# KiCad board Turbo_XT_Mainboard R3.kicad_pcb (continued)
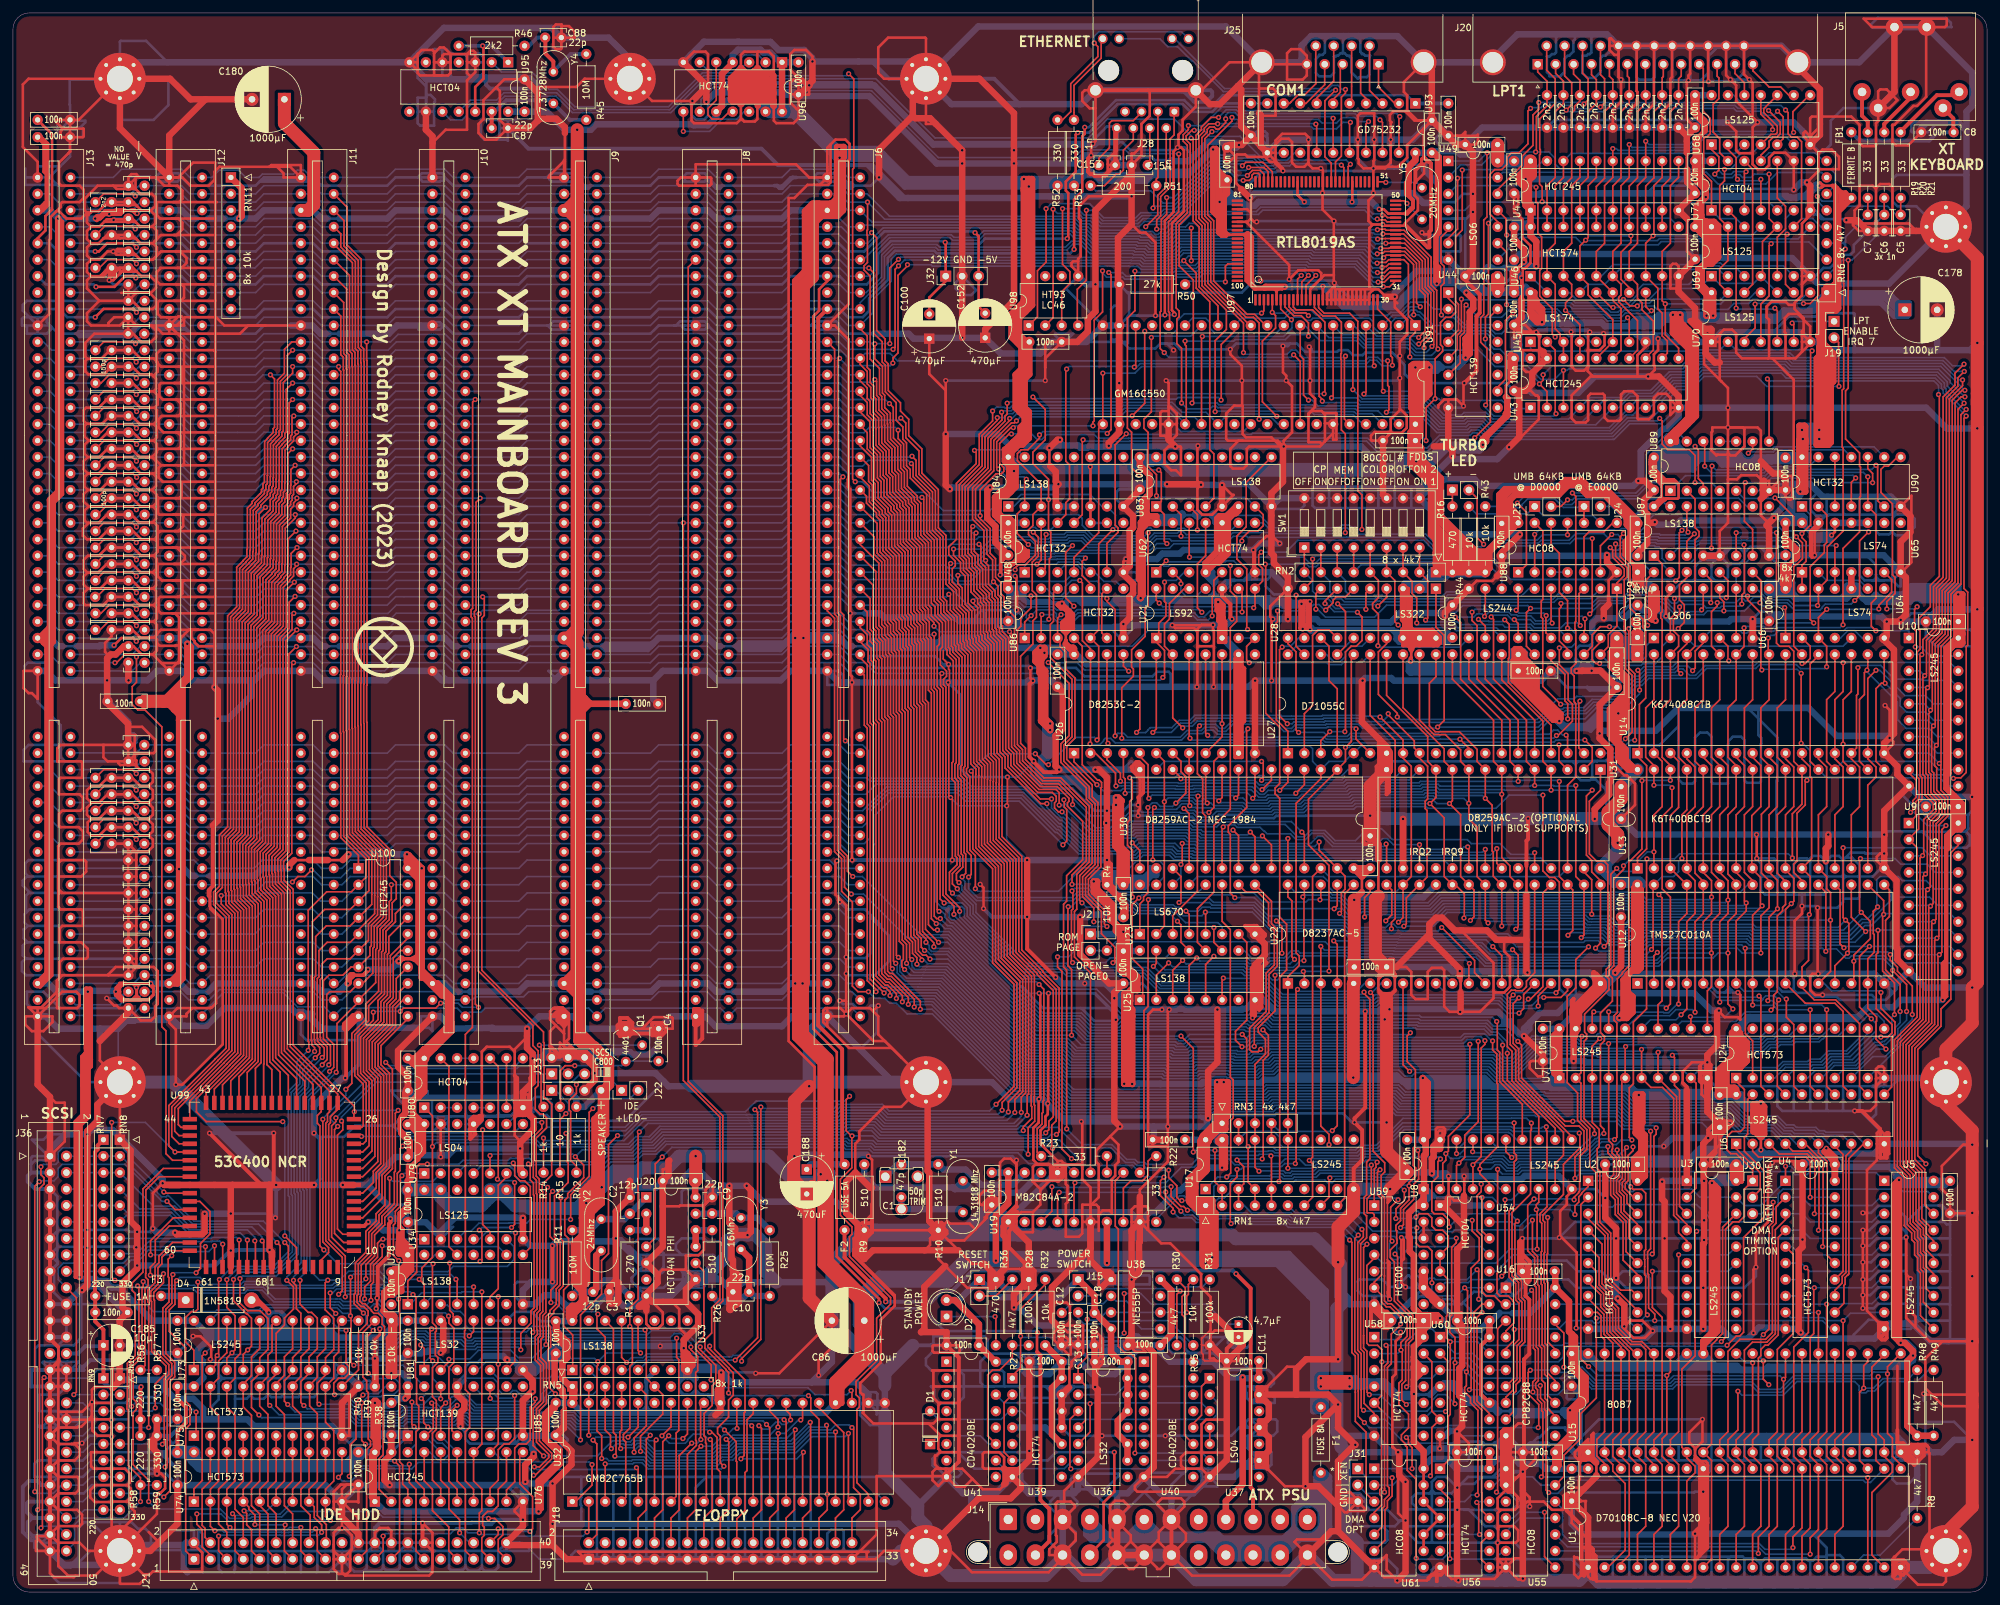
[diagram p0: board, top side]
## Routing (per net, layer and track width the routed paths; a pad name or vN(x,y) marks a point on that pad's centre or on a via; arc(x,y) is an arc through that point) (continued)
/~{SCSI_DB3}: length 35.8
  Top w0.25: U99.67 37.44,54.13 v1(37.34,54.23)
  Bottom w0.25: 8.25,59.69 RN7.5 RN8.5 17.58,58.62 24.5,58.62 27.19,55.93 36.21,55.93 37.34,54.79 v1(37.34,54.23)
/~{SCSI_DB4}: length 34.1
  Top w0.25: U99.66 36.17,54.33 v1(36.19,54.36)
  Bottom w0.25: v1(36.19,54.36) 35.07,55.48 27,55.48 24.31,58.17 17.53,58.17 RN8.6 RN7.6 8.25,57.15
/~{SCSI_DB5}: length 31.1
  Top w0.25: v1(34.92,54.36) 34.92,50.22 U99.65
  Bottom w0.25: 8.25,54.61 RN7.7 RN8.7 30.55,54.61 30.69,54.76 34.53,54.76 v1(34.92,54.36)
/~{SCSI_DB6}: length 28.8
  Top w0.25: U99.63 32.38,50.22 v1(32.38,53.72)
  Bottom w0.25: v1(32.38,53.72) 31.91,54.19 30.77,54.19 30.68,54.1 20.93,54.1 19.62,52.79 19.62,52.66 19.22,52.27 16.71,52.27 RN8.8 RN7.8 8.25,52.07
/~{SCSI_DB7}: length 28
  Top w0.25: v1(31.11,53.47) 31.11,50.22 U99.62
  Bottom w0.25: v1(31.11,53.47) 30.23,52.58 25.08,52.58 24.86,52.8 20.9,52.8 20.52,52.42 20.52,52.29 19.5,51.27 18.25,51.27 RN8.9 RN7.9 8.25,49.53
/~{SCSI_DBP}: length 55.3
  Top w0.25: v1(9.4,30.48) 9.8,30.88 9.8,45.45 8.25,46.99 ; U99.61 29.72,50.29 v1(29.72,53.34)
  Bottom w0.25: v1(9.4,30.48) RN9.2 RN10.2 ; v1(29.72,53.34) 20.81,53.34 20.07,52.6 20.07,52.48 19.41,51.82 18.03,51.82 17.02,50.8 7.79,50.8 6.98,50 6.98,48.26 8.25,46.99
/~{SCSI_IO}: length 77.8
  Top w0.25: v1(19.68,13.97) R58.2 19.68,17.65 17.82,19.52 17.82,28.07 17.61,28.28 17.61,28.98 17.66,29.03 17.66,35.32 18.87,36.54 18.87,46.09 18.41,46.55 18.41,47.75 20.07,49.41 20.07,62.26 23.22,65.41 27.3,65.41
  Bottom w0.25: R59.2 R58.2 ; 8.25,6.35 9.52,7.62 9.52,10.41 10.54,11.43 17.14,11.43 v1(19.68,13.97)
/~{SCSI_MSG}: length 90.4
  Top w0.25: v1(23.79,60.33) 25.06,59.06 27.3,59.06 ; v1(4.06,63.36) 3.36,62.66 v1(3.36,15.49)
  Bottom w0.25: v1(4.06,63.36) 4.2,63.5 6.33,63.5 6.98,64.15 6.98,65.41 7.62,66.04 17.31,66.04 23.02,60.33 v1(23.79,60.33) ; v1(3.36,15.49) 3.62,15.24 6.24,15.24 7.51,16.51 10.79,16.51 12.06,17.78 RN9.7 RN10.7
/~{SCSI_REQ}: length 82.1
  Top w0.25: v1(4.32,9.91) 4.54,10.13 4.54,32.86 v1(4.81,33.13) ; R56.2 20.38,34.99 20.38,46.86 20.87,47.34 20.87,48.21 20.49,48.59 20.49,49.19 20.52,49.22 20.52,62.07 22.58,64.13 27.3,64.13
  Bottom w0.25: v1(4.32,9.91) 4.57,10.16 6.98,10.16 8.25,8.89 ; v1(4.81,33.13) 4.93,33.02 11.78,33.02 13.05,34.29 R56.2 R57.2
/~{SCSI_RST}: length 63.5
  Top w0.25: 27.3,57.79 24.76,57.79 21.25,54.27 v1(21.25,52.07) ; v1(23.49,19.3) 23.81,19.62 23.81,32.7 24.52,33.41 24.52,35.29 23.15,36.67 23.15,43.85 24.09,44.79 24.09,48.55 23.97,48.67 23.97,51.4 v1(24.51,51.94)
  Bottom w0.25: v1(21.25,52.07) 24.38,52.07 v1(24.51,51.94) ; 8.25,19.05 10.79,19.05 12.06,20.32 RN9.6 RN10.6 22.48,20.32 v1(23.49,19.3)
/~{SCSI_SEL}: length 69.7
  Top w0.25: v1(28.28,49.3) 28.96,49.98 28.96,53.82 30.42,55.28 30.42,58.76 28.85,60.32 27.3,60.32 ; v1(24.69,49.02) 24.54,48.87 24.54,44.61 23.6,43.66 23.6,36.85 24.97,35.48 24.97,33.23 24.26,32.51 24.26,15.64 v1(23.29,14.67)
  Bottom w0.25: v1(24.69,49.02) 24.97,49.3 v1(28.28,49.3) ; v1(23.29,14.67) 22.72,15.24 RN10.8 RN9.8 12.06,15.24 10.79,13.97 8.25,13.97
/~{SDRV_SEL}: length 66.8
  Top w0.25: v1(58.42,109.22) 58.42,106.94 58.1,106.61 58.1,103.82 56.68,102.41 56.68,99.24 56.46,99.01 56.46,92.78 54.47,90.79 54.47,88.39 52.32,86.25 52.32,78.55 v1(51.4,77.63) ; v1(47.84,73.01) 47.85,73 47.85,54.06 48.73,53.18 48.73,52.41 47.6,51.28 U99.7
  Bottom w0.25: v1(51.4,77.63) 51.4,76.67 47.84,73.12 v1(47.84,73.01) ; U100.19 v1(58.42,109.22)
/~{SIDE}: length 23.7
  Top w0.25: J18.32 127,11.43 128.27,12.7 128.27,24.64 124.46,28.45 U32.25
/~{STEP}: length 22.6
  Top w0.25: U32.29 114.3,27.56 113.34,26.59 113.34,18.76 113.03,18.45 113.03,12.57 111.76,11.3 J18.20
/~{TEST}: length 28.2
  Top w0.25: U1.23 285.12,20.32 285.12,30.85 v1(285.76,31.49) 285.75,31.5 285.75,34.93 286.38,35.56 U15.23
  Bottom w0.25: v1(285.76,31.49) 287.27,31.49 288.74,32.96 292.68,32.96 R48.2
/~{TMR_CS}: length 79
  Top w0.25: U25.13 180.34,100.33 180.34,103.04 v1(179.8,103.58) ; v1(159.85,143.53) 163.07,140.31 163.07,132.24 161.8,130.97 161.8,128.11 165.73,124.18 165.73,122.43 166.62,121.54 166.62,112.55 164.7,110.63 164.7,106.79 v1(165.06,106.43) ; v1(172.27,142.19) 171.45,143.01 U26.21
  Bottom w0.25: v1(172.27,142.19) 172.07,142.38 165.44,142.38 164.3,143.53 v1(159.85,143.53) ; v1(179.8,103.58) 178.6,104.78 173.23,104.78 172.76,105.24 171.94,105.24 171.42,105.76 165.73,105.76 v1(165.06,106.43)
/~{TR0}: length 59.1
  Top w0.25: J18.26 119.38,11.43 120.65,12.7 120.65,24.92 v1(120.8,25.06) ; v1(92.38,22.14) 92.26,22.27 92.26,24.2 91.44,25.02 U32.38 RN5.3
  Bottom w0.25: v1(92.38,22.14) 93.12,22.88 94.24,22.88 94.39,22.73 95.5,22.73 96.17,23.4 97.55,23.4 99.15,21.8 107.89,21.8 108.73,22.64 110.21,22.64 111.35,23.78 117.79,23.78 117.81,23.76 118.51,23.76 118.53,23.78 119.52,23.78 v1(120.8,25.06)
/~{WDATA}: length 27.7
  Top w0.25: v1(120.07,26.58) 120.01,26.64 120.01,27.43 119.38,28.07 U32.27 ; v1(115.17,25.69) 115.57,25.29 115.57,12.7 114.3,11.43 J18.22
  Bottom w0.25: v1(115.17,25.69) 115.7,25.16 116.72,25.16 117.79,26.23 118.39,26.23 118.74,25.88 119.37,25.88 v1(120.07,26.58)
/~{WGATE}: length 24.5
  Top w0.25: v1(121.63,26.57) 121.92,26.86 U32.26 ; J18.24 116.84,11.43 118.11,12.7 118.11,24.43 v1(118.16,24.48)
  Bottom w0.25: v1(121.63,26.57) 121.25,26.57 119.17,24.48 v1(118.16,24.48)
/~{WP}: length 61.2
  Top w0.25: v1(93.83,22.15) 93.71,22.28 93.71,24.75 93.98,25.02 U32.37 RN5.4 ; v1(123.1,26.21) 123.15,26.15 123.15,12.66 121.92,11.43 J18.28
  Bottom w0.25: v1(93.83,22.15) 93.96,22.28 95.69,22.28 96.36,22.95 97.36,22.95 98.96,21.35 108.07,21.35 108.91,22.19 110.39,22.19 111.53,23.33 117.6,23.33 117.62,23.31 118.69,23.31 118.72,23.33 120.09,23.33 122.96,26.21 v1(123.1,26.21)
/~{WRTDMAPREG}: length 81.4
  Top w0.25: v1(157.18,153.82) 157.18,151.97 155.61,150.4 155.61,149.13 155.08,148.61 155.08,130.87 155.88,130.08 155.88,128.37 158.97,125.28 161.61,125.28 165.72,121.17 165.72,112.92 163.52,110.72 v1(163.52,109.28)
  Bottom w0.25: v1(163.52,109.28) 166.04,109.28 167.22,108.09 183.02,108.09 U23.12 ; v1(157.18,153.82) 157.18,153.81 160.11,153.81 160.56,153.36 162.02,153.36 163.59,154.94 U86.11
/~{X0X}: length 242.6
  Top w0.25: v1(82.29,38.21) 82.32,38.24 82.32,41.01 82.24,41.09 82.24,42.49 82.9,43.15 82.9,43.48 83.88,44.46 83.88,46.82 84.49,47.42 84.49,53.98 83.61,54.85 83.61,61.13 85.72,63.25 85.72,66.29 85.6,66.42 85.6,70.61 v1(85.38,70.83) ; U81.2 67.31,35.56 v1(67.31,35.94) ; v1(148.46,176.29) 148.72,176.04 148.72,174.24 145.67,171.2 145.67,162.56 144.5,161.39 144.5,160.18 145.5,159.18 145.5,158.48 145.03,158.02 145.03,155.95 146.12,154.87 146.12,152.14 147.14,151.12 147.14,147 147.36,146.78 147.36,146.1 148.33,145.13 148.33,128.08 149.13,127.28 149.13,126.09 149.11,126.06 149.11,115.12 152.16,112.07 152.16,97.65 155.46,94.35 155.46,77.46 153.69,75.69 v1(153.69,74.13)
  Bottom w0.25: v1(67.31,35.94) 67.38,36.02 70.56,36.02 71.88,37.34 76.86,37.34 78,36.19 80.27,36.19 v1(82.29,38.21) ; U84.15 155.08,176.39 148.56,176.39 v1(148.46,176.29) ; v1(85.38,70.83) 85.78,71.23 94.6,71.23 97.09,73.72 113.28,73.72 113.28,73.72 127.16,73.72 127.85,74.41 133.87,74.41 135,73.28 152.84,73.28 v1(153.69,74.13)
/~{X7X}: length 386.3
  Top w0.25: v1(159.88,127.76) 159.54,127.76 v1(157.86,129.45) ; v1(129.03,234.44) 129.82,233.65 129.82,219.88 129.65,219.71 129.65,171.85 v1(130.05,171.45) ; v1(151.79,75.31) 154.56,78.08 154.56,93.85 151.26,97.16 151.26,111.7 148.21,114.75 148.21,126.52 v1(147.95,126.77) ; v1(167.39,131.57) 167.64,131.83 167.64,146.05 U86.5 167.64,148.59 167.64,161.85 v1(169.83,164.04) ; v1(112.5,35.65) 112.5,36.05 115.47,39.01 v1(115.47,74.9)
  Bottom w0.25: U33.4 94.92,34.29 96.37,35.74 97.44,35.74 98.01,36.32 110.94,36.32 111.17,36.54 112.18,36.54 112.5,36.22 v1(112.5,35.65) ; v1(167.39,131.57) 166.99,131.97 164.09,131.97 v1(159.88,127.76) ; v1(151.79,75.31) 150.78,74.3 135.25,74.3 134.24,75.31 127.38,75.31 126.75,74.68 115.69,74.68 v1(115.47,74.9) ; U95.11 70.61,230.38 74.68,230.38 75.82,231.52 83.95,231.52 86.56,228.9 87.79,228.9 87.79,228.91 89.25,228.91 89.25,228.9 101.4,228.9 106.64,234.15 128.74,234.15 v1(129.03,234.44) ; v1(130.05,171.45) 131.15,171.45 132.8,169.8 140.84,169.8 143.64,167 150.85,167 152.61,168.77 154.92,168.77 155.64,169.48 166.31,169.48 168.15,167.64 U84.7 170.23,166.32 170.23,164.44 v1(169.83,164.04) ; v1(157.86,129.45) 150.64,129.45 v1(147.95,126.77)
/~{XEN}: length 18.3
  Top w0.25: U61.6 211.84,8 211.84,12.68 212.21,13.06 212.21,14.09 212.94,14.82 v1(212.94,17.65)
  Bottom w0.25: v1(212.94,17.65) 212.82,17.78 208.91,17.78 J31.1
/~{XIOR}: length 268.9
  Top w0.25: U30.3 201.93,125.6 198.12,121.79 198.12,98.71 198.6,98.23 198.6,96.78 196.85,95.03 U22.1 RN3.5 U17.15 v1(196.85,65.44) ; v1(262.34,173.87) 262.25,173.79 v1(262.25,161.2) ; v1(247.44,161.85) 247.44,159.97 249.23,158.19 249.23,156.75 248.78,156.3 248.78,149.13 248.75,149.11 248.75,148.41 248.98,148.19 248.98,142.59 249.98,141.59 249.98,136.21 250,136.18 250,132.8 v1(248.97,131.77) ; v1(238.71,130.81) 238.71,128.32 U31.3 ; U26.22 168.91,131.22 v1(169.07,131.06) ; v1(210.63,66.38) 210.46,66.21 210.46,65.59 210.19,65.32 U59.1
  Bottom w0.25: v1(262.25,161.2) 260.21,161.2 259.71,160.71 259.71,159.62 258.99,158.89 255.36,158.89 254.63,159.62 254.63,160.91 254.13,161.42 253.62,161.42 253.44,161.6 247.7,161.6 v1(247.44,161.85) ; v1(169.07,131.06) 169.46,130.67 200.22,130.67 200.66,130.22 200.66,128.27 U30.3 203.2,128.27 205.61,128.27 206.88,129.54 U27.5 208.14,130.67 222.79,130.67 223.03,130.42 223.96,130.42 224.33,130.8 238.7,130.8 v1(238.71,130.81) 248.01,130.81 v1(248.97,131.77) ; v1(210.63,66.38) 210.31,66.7 208.91,66.7 208.24,66.02 201.22,66.02 200.64,65.44 v1(196.85,65.44) ; U90.13 277.3,173.8 270.72,173.8 270.22,173.29 262.92,173.29 v1(262.34,173.87)
/~{XIOW}: length 241.9
  Top w0.25: U59.2 210.19,58.28 209.9,58.56 209.12,58.56 209.06,58.63 209.06,60.75 209.73,61.42 v1(209.73,65.93) ; v1(242.7,131.57) 243.84,130.43 243.84,128.27 U31.2 ; v1(194.87,95.24) 194.87,89.75 192.28,87.16 192.28,86.46 193.38,85.35 193.38,83.09 191.77,81.48 RN3.3 U17.17 191.77,65.6 v1(192.39,64.98) ; v1(203.2,95.88) 203.2,112.2 200.02,115.38 200.02,122.43 204.47,126.87 U30.2 205.74,128.27 v1(205.74,130.43) 206.64,131.33 206.64,144.41 U27.36 ; v1(199.23,95.83) 199.39,95.67 U22.2 ; v1(166.3,130.97) 166.37,131.04 U26.23 166.37,145.65 165.12,146.91 165.12,155.81 v1(164.72,156.21)
  Bottom w0.25: v1(242.7,131.57) 238.7,131.57 238.66,131.54 238.23,131.54 237.94,131.25 224.14,131.25 223.77,130.87 223.22,130.87 222.98,131.12 206.99,131.12 206.31,130.43 v1(205.74,130.43) 205.41,130.76 202.47,130.76 202.11,131.12 170.2,131.12 169.49,131.83 168.66,131.83 168.4,131.57 168.4,131.44 167.8,130.85 166.43,130.85 v1(166.3,130.97) ; v1(194.87,95.24) 195.18,95.56 198.96,95.56 v1(199.23,95.83) 203.15,95.83 v1(203.2,95.88) ; v1(164.72,156.21) 163.44,156.21 162.42,155.19 162.42,154.4 161.83,153.81 160.75,153.81 159.62,154.94 U86.13 ; v1(209.73,65.93) 209.37,65.57 201.41,65.57 200.81,64.98 197.46,64.98 197.2,64.72 196.5,64.72 196.19,65.02 192.43,65.02 v1(192.39,64.98)
/~{XMEMR}: length 252.5
  Top w0.25: v1(286.38,172.21) U90.5 287.65,166.37 287.65,153.44 286.93,152.72 286.93,149.15 v1(287.64,148.45) ; v1(201.93,99.69) U22.3 201.93,71.95 203.2,70.68 v1(203.2,69.09) ; v1(269.88,98.68) 269.88,104.39 271.14,105.66 U12.24 271.14,109.85 269.97,111.03 269.97,120.11 271.14,121.28 U13.24 271.14,127.63 269.88,128.91 269.88,136.53 271.14,137.8 U14.24 271.02,144.91 v1(271.02,147.32) ; 189.23,69 U17.18 RN3.2
  Bottom w0.25: v1(286.38,172.21) 285.7,172.9 271.1,172.9 270.59,172.39 258.24,172.39 U89.1 ; v1(269.88,98.68) 266.98,98.68 266.25,99.41 261.9,99.41 261.9,99.4 255.61,99.4 253.77,97.57 227.62,97.57 226.25,98.93 213.25,98.93 213.19,99 206.4,99 206.26,99.13 202.49,99.13 v1(201.93,99.69) ; U17.18 190.5,71.12 194.71,71.12 195.58,70.25 195.58,69.16 196.02,68.72 202.84,68.72 v1(203.2,69.09) ; U10.1 292.74,148.37 292.66,148.45 v1(287.64,148.45) 287.17,148.91 283.14,148.91 282.67,148.45 278.37,148.45 278.32,148.39 277.03,148.39 276.98,148.45 272.62,148.45 271.9,147.72 271.42,147.72 v1(271.02,147.32)
/~{XMEMW}: length 169.4
  Top w0.25: U12.31 253.24,109.09 253.24,99.47 v1(252.99,99.22) ; v1(203.71,71.25) 204.47,72.01 U22.4 204.47,100.01 v1(203.93,100.56) ; U89.2 259.71,168.78 259.71,164.38 260.33,163.76 260.33,163.06 259.71,162.45 259.71,146.05 U14.29 258.44,137.8 257.18,136.53 257.18,128.91 258.44,127.63 U13.29 258.44,120.78 257.68,120.02 v1(257.68,113.28) ; RN3.4 U17.16
  Bottom w0.25: v1(203.71,71.25) 203.58,71.12 195.58,71.12 RN3.4 ; v1(203.93,100.56) 206.11,100.56 206.77,99.9 213.56,99.9 213.63,99.83 226.63,99.83 227.99,98.47 252.24,98.47 v1(252.99,99.22) ; v1(257.68,113.28) 257.18,112.78 257.18,111.25 256.41,110.49 254.63,110.49 U12.31
/~{XX0}: length 70.8
  Top w0.25: v1(51.43,40.39) 51.43,35.32 51.93,34.83 51.93,33.75 51.2,33.02 50.28,33.02 49.53,32.27 49.53,30.61 v1(49.66,30.48) ; U78.5 v1(71.12,47.12) ; U85.4 67.78,24.93 67.78,28.03 68.58,28.83 v1(68.58,28.83) ; v1(48.99,46.19) 48.99,43.87 v1(49.84,43.02)
  Bottom w0.25: v1(49.66,30.48) 51.44,30.48 54.02,27.9 59.39,27.9 59.99,28.51 64.02,28.51 64.07,28.46 65.44,28.46 65.87,28.03 67.34,28.03 68.14,28.83 v1(68.58,28.83) ; v1(48.99,46.19) 49.37,46.19 49.99,46.81 51.01,46.81 51.15,46.96 55.51,46.96 55.56,47.01 57.01,47.01 57.14,46.88 60.11,46.88 60.34,47.12 v1(71.12,47.12) ; v1(51.43,40.39) 50.55,40.39 49.44,41.49 49.44,42.62 v1(49.84,43.02)
/~{XX8}: length 242.6
  Top w0.25: U86.10 166.37,155.67 165.1,156.94 165.1,159.18 v1(165.59,159.66) ; v1(87.63,23.5) 87.63,42.78 90.88,46.03 90.88,51.19 91.95,52.26 91.95,69.09 v1(93.34,70.49) ; v1(154.69,74.06) 154.69,76.05 155.91,77.27 155.91,94.54 152.61,97.84 152.61,112.26 149.56,115.31 149.56,125.88 149.58,125.9 149.58,127.47 148.78,128.26 148.78,145.31 147.81,146.28 147.81,146.97 147.59,147.18 147.59,151.31 146.57,152.33 146.57,155.05 145.9,155.72 v1(145.9,156.99)
  Bottom w0.25: v1(154.69,74.06) 153.46,72.83 134.81,72.83 133.68,73.96 128.04,73.96 127.35,73.27 113.47,73.27 113.47,73.27 97.27,73.27 94.49,70.49 v1(93.34,70.49) ; v1(87.63,23.5) 85.6,25.53 82.62,25.53 82.38,25.29 74.82,25.29 U85.6 ; v1(145.9,156.99) 148.16,156.99 149.71,158.54 154.35,158.54 155.71,159.9 160.98,159.9 161.04,159.96 165.3,159.96 v1(165.59,159.66)
Net-(C1-Pad1): length 24.4
  Bottom w1: C1.1 136.52,65.96 C182.1 137.24,66.04 R10.1 143.67,65.24 147.08,65.24 149.46,62.87 154.31,62.87 U19.17
Net-(C1-Pad2): length 11.5
  Bottom w1: C182.2 137.16,59.18 C1.2 146.17,59.13 Y1.2
Net-(C2-Pad2): length 13.5
  Bottom w1: R11.2 89.1,55.88 Y2.1 94.41,57.58 C2.2 U20.1
Net-(C3-Pad1): length 17.7
  Top w1: C3.1 90.06,46.84 90.06,51.96 Y2.2
  Bottom w1: R11.1 86.99,46.36 C3.1 91.35,48.13 92.84,48.13 R12.2
Net-(C4-Pad1): length 21.4
  Top w0.25: R15.2 84.55,75.02 84.55,80.57 85.26,81.28 v1(86.74,81.28)
  Bottom w0.25: C4.1 94.69,82 Q1.3 93.98,81.28 v1(86.74,81.28)
Net-(C8-Pad1): length 21.3
  Top w0.6: C8.1 299.59,225.47 299.59,227.56 J5.5
  Bottom w0.6: FB1.1 285.15,224.12 295.88,224.12 297.18,225.43 C8.1
Net-(C9-Pad2): length 12.6
  Top w1: 107.91,58.42 C9.2
  Bottom w1: U20.13 107.91,58.42 C9.2 111.72,58.46 Y3.1 114.94,57.79 R25.2
Net-(C10-Pad1): length 17.2
  Top w1: C10.1 113.66,51.63 Y3.2
  Bottom w1: R25.1 114.3,45.72 C10.1 112.16,44.85 108.82,44.85 R26.1
Net-(C11-Pad1): length 60.1
  Top w0.25: v1(171.58,46.1) v1(171.58,40) ; 153.83,33.49 U39.1 154.31,33.4 155.57,34.67 v1(155.57,39.5) 155.57,43.69 159.38,47.5 R32.2
  Bottom w0.25: C11.1 187.36,41.37 184.28,44.45 175.77,44.45 174.12,46.1 v1(171.58,46.1) ; v1(155.57,39.5) 155.75,39.32 170.9,39.32 v1(171.58,40)
Net-(C12-Pad1): length 26.9
  Top w0.25: R35.1 181.48,47.5 181.48,45.97 181.23,45.72 v1(181.23,43.18)
  Bottom w0.25: C12.1 163.37,44.54 168.37,44.54 U38.2 170.34,44.92 171.93,44.92 173.67,43.18 U38.6 v1(181.23,43.18)
Net-(C13-Pad1): length 14.6
  Bottom w0.25: U38.5 174.24,40.64 173.1,41.78 169.02,41.78 168.64,41.4 165.35,41.4 164.46,42.29 C13.1
Net-(C87-Pad2): length 19.1
  Top w0.6: C87.2 U95.13
  Bottom w0.6: R45.2 85.98,227.33 Y4.1 82.95,230.36 76.18,230.36 74.42,228.6 U95.13
Net-(C88-Pad1): length 15.8
  Top w0.6: C88.1 82.21,239.99 82.21,237.58 83.44,236.35 Y4.2
  Bottom w0.6: R46.1 79.67,238.76 80.94,240.03 C88.1 ; Y4.2 83.44,234.82 86.11,237.49 R45.1
Net-(C153-Pad2): length 12.9
  Top w0.25: C153.2 167.68,221.4 169.29,223.01 169.29,226.82 169.67,227.2 172.97,227.2 174.24,228.47 J28.5
Net-(C154-Pad2): length 5.8
  Top w0.25: C154.2 175.52,220.65 J28.4
Net-(D1-Pad1): length 31.7
  Top w0.25: R27.2 154.31,36.25 152.34,34.29 151.25,34.29 150.5,33.54 150.5,24.13 U41.11
  Bottom w0.25: U41.11 150.62,22.86 149.35,24.13 142.88,24.13 D1.1 ; R27.2 R28.2
Net-(D2-Pad1): length 12.1
  Top w0.25: 151.76,37.99 R36.1 151.76,42.42 v1(151.64,42.55)
  Bottom w0.25: v1(151.64,42.55) D2.1
Net-(D4-Pad1): length 4.1
  Bottom w1: F3.1 26.03,45.72 D4.1
Net-(F1-Pad2): length 260.4
  Bottom w0.4: 174.67,9.48 174.56,9.37 174.56,8.07
  Bottom w1: 202.25,9.21 202.25,12.84 201.53,13.57 ; 202.25,9.21 203.2,10.16 ; 202.25,9.21 201.93,8.89 ; 198.99,13.57 199.79,13.57 ; 198.99,13.57 199.62,13.57 201.93,15.88 F1.2 ; 198.99,13.57 197.82,12.4 197.82,11.13 ; 199.79,13.57 200.89,13.57 ; 199.79,13.57 200.26,13.57 201.29,14.61 ; 201.29,8.25 201.93,8.89 ; 201.29,8.25 199.39,8.25 ; 201.29,8.25 198.75,8.25 ; 201.29,8.25 202.56,8.25 203.2,8.89 203.2,10.16 ; 201.93,8.89 201.9,8.86 ; 201.9,8.86 201.92,8.88 201.92,12.54 200.89,13.57 ; 201.9,8.86 198.73,8.86 ; 177.99,8.07 166.56,8.07 165.74,8.89 165.74,10.16 166.27,10.69 J14.4 ; 177.99,8.07 182.69,8.07 ; 177.99,8.07 174.84,11.21 J14.6 ; 182.69,8.07 184.34,8.07 185.42,6.99 ; 182.69,8.07 182.88,8.25 196.21,8.25 ; 200.89,13.57 201.53,13.57 ; J14.4 166.27,8.99 167,8.25 171.45,8.25 ; J14.4 166.27,10.26 167.67,8.86 168.88,8.86 ; J14.4 166.53,11.21 168.88,8.86 ; 201.29,17.14 201.29,15.88 ; 201.29,17.14 201.29,18.42 F1.2 ; 201.29,17.14 201.29,17.78 F1.2 ; 201.29,17.14 202.56,18.42 ; 201.29,15.88 201.29,14.61 ; 201.29,15.88 202.56,14.61 ; 197.82,9.86 196.21,8.25 ; 197.82,9.86 197.82,8.56 198.12,8.25 ; 197.82,9.86 197.82,11.13 ; 197.82,9.86 198.73,8.95 198.73,8.86 ; 201.29,14.61 201.29,13.8 201.53,13.57 ; 201.53,13.57 201.93,13.97 201.93,17.14 ; J14.23 195.67,5.81 198.12,8.25 ; J14.23 195.67,7.07 197.46,8.86 198.73,8.86 ; J14.23 196.21,5.71 198.75,8.25 ; F1.2 202.56,17.78 202.56,14.61 ; F1.2 202.56,18.42 ; F1.2 201.93,17.14 ; F1.2 203.2,17.14 203.2,15.88 ; 202.56,18.42 203.2,17.78 203.2,15.88 ; 185.42,6.99 186.69,5.71 J14.21 ; 185.42,6.99 194.94,6.99 195.26,7.3 ; 183.51,8.25 185.42,8.25 187.27,6.41 J14.21 ; 183.51,8.25 176.53,8.25 ; 183.51,8.25 184.73,8.25 J14.21 ; 203.2,10.16 203.2,15.88 ; 198.75,8.25 200.11,8.25 202.56,10.71 202.56,14.61 ; 171.45,8.25 173.35,8.25 174.67,9.57 J14.6 ; 171.45,8.25 172.72,8.25 174.67,10.2 J14.6 ; 171.45,8.25 176.53,8.25 ; 198.12,8.25 198.73,8.86 ; J14.21 187.27,7.68 ; 201.93,17.14 197.82,13.03 197.82,11.13 ; 176.53,8.25 175.89,8.25 174.67,9.48 J14.6 ; 187.27,7.68 195.63,7.68 196.21,8.25 ; 187.27,7.68 189.23,5.71 ; 187.27,7.68 186.08,8.86 176.56,8.86 174.67,10.75 J14.6 ; 196.21,8.25 195.26,7.3 ; 168.88,8.86 172.32,8.86 J14.6 ; 195.26,7.3 193.68,5.71
  Bottom w2: J14.23 J14.22 J14.21
Net-(F2-Pad2): length 109.1
  Top w0.6: v1(188.85,49.15) 191.1,46.89 191.1,16.16 191.47,15.79 J14.10 ; F2.2 128.4,51.69 134.75,45.34 v1(134.75,44.83)
  Bottom w0.6: v1(134.75,44.83) 141.82,44.83 143.47,46.49 144.82,46.49 144.91,46.39 148.17,49.66 188.34,49.66 v1(188.85,49.15)
Net-(J1-Pad1): length 14.7
  Top w0.25: v1(85.38,73.88) 84.45,72.95 R15.1
  Bottom w0.25: v1(85.38,73.88) 85.78,74.28 85.78,75.46 83.76,77.47 J1.1
Net-(J4-Pad1): length 2.5
  Top w0.25: J4.1 R16.2
Net-(J4-Pad2): length 46.7
  Top w0.25: v1(227.08,161.8) 226.06,162.81 226.06,168.91 J4.2
  Bottom w0.25: v1(227.08,161.8) 226.69,161.42 220.09,161.42 218.15,163.36 207.01,163.36 206.06,164.32 205.37,164.32 204.94,163.89 194.25,163.89 193.04,165.1 U62.8
Net-(J5-Pad1): length 6.6
  Top w0.6: R19.2 286.38,227.08 285.5,227.96 J5.1
Net-(J5-Pad2): length 7.9
  Top w0.6: R20.2 288.93,226.69 292.99,230.76 J5.2
Net-(J5-Pad3): length 11.7
  Top w0.6: R21.2 291.46,225.55 297.05,231.14 299.98,231.14 J5.3
Net-(J14-Pad16): length 44.9
  Top w0.25: U39.6 153.03,21.59 153.03,29.21 U39.2
  Top w0.4: J14.16 166.27,5.87 168.4,8 168.4,13.84 170.05,15.49 v1(170.05,21.59)
  Bottom w0.4: v1(170.05,21.59) 161.04,21.59 159.77,20.32 U39.6
Net-(J15-Pad2): length 25
  Top w0.25: v1(180.21,46.48) 179.7,45.97 R30.1
  Bottom w0.25: v1(180.21,46.48) 179.85,46.85 167.24,46.85 166.12,45.72 J15.2
Net-(J17-Pad2): length 6.1
  Top w0.25: R27.1 151.76,45.72 J17.2
Net-(J19-Pad1): length 9.6
  Top w0.25: U70.6 274.95,195.7 v1(274.71,195.95)
  Bottom w0.25: J19.1 274.97,196.22 v1(274.71,195.95)
Net-(J22-Pad1): length 22.2
  Top w0.25: R42.1 86.99,65.79 86.11,66.68 86.11,74.22 85.87,74.46 85.87,75.88 86.99,77 v1(86.99,78.36)
  Bottom w0.25: v1(86.99,78.36) 87.39,78.76 92.69,78.76 J22.1
Net-(J22-Pad2): length 45.5
  Top w0.25: v1(89.55,74.66) 88.96,74.07 88.96,64.2 86.11,61.34 v1(86.11,57.53)
  Bottom w0.25: v1(86.11,57.53) 79.88,57.53 79.31,56.96 77.39,56.96 77.33,57.02 76.63,57.02 76.58,56.96 71.95,56.96 70.74,55.75 69.85,55.75 U34.3 ; J22.2 95.25,76.2 91.19,76.2 89.65,74.66 v1(89.55,74.66)
Net-(J23-Pad1): length 22.4
  Bottom w0.25: U88.9 243.98,166.23 236.24,166.23 234.95,167.51 J23.1 233.81,166.5 225.93,166.5 R44.2
Net-(J23-Pad2): length 35
  Top w0.25: J23.2 239.01,167.64 v1(240.03,168.66)
  Bottom w0.25: v1(240.03,168.66) 240.78,168.66 241.39,169.27 250.8,169.27 252.84,171.31 253.91,171.31 254.63,170.58 254.63,169.14 254.84,168.93 266.43,168.93 267.72,167.64 268.6,167.64
Net-(J24-Pad1): length 19.1
  Top w0.25: J24.1 U88.10
  Bottom w0.25: R43.2 231.72,167.64 231.93,167.42 232.63,167.42 233.01,167.8 233.01,167.93 233.9,168.82 238.05,168.82 239.39,167.48 242.41,167.48 J24.1
Net-(J24-Pad2): length 29.6
  Bottom w0.25: U87.9 270.02,166.51 257.19,166.51 257.05,166.37 253.37,166.37 251.95,164.96 251.95,164.48 251.37,163.89 250.25,163.89 248.78,165.37 248.78,165.64 246.78,167.64 J24.2
Net-(J28-Pad1): length 58.1
  Top w0.25: J28.1 179.28,228.55 179.28,225 178.67,224.39 178.67,216.94 177.21,215.48 177.21,212.5 176.59,211.88 v1(176.59,210.46) ; 213.44,211.59 212.16,211.59 211.85,211.89 210.77,211.89 v1(210.65,212.01)
  Bottom w0.25: v1(176.59,210.46) 177.85,210.46 178.64,211.26 180.39,211.26 181.86,212.72 192.29,212.72 192.95,213.39 208.71,213.39 210.08,212.01 v1(210.65,212.01)
Net-(J28-Pad2): length 57
  Top w0.25: v1(211.44,212.62) 211.83,212.62 212.22,212.24 213.44,212.24 ; v1(174.9,210.83) 176.76,212.68 176.76,215.66 178.06,216.97 J28.2
  Bottom w0.25: v1(174.9,210.83) 175.26,211.19 177.94,211.19 178.45,211.71 180.21,211.71 181.67,213.17 191.98,213.17 192.65,213.84 208.95,213.84 209.98,212.8 211.26,212.8 v1(211.44,212.62)
Net-(J28-Pad3): length 50.9
  Top w0.25: J28.3 176.78,218.44 176.53,218.19 R51.1 176.15,216.79 176.15,213.83 v1(176.03,213.71) ; v1(205.1,220.34) 205.5,219.95 U97.59
  Bottom w0.25: v1(176.03,213.71) 176.33,214.01 179.21,214.01 186.18,220.98 191.37,220.98 192.58,219.77 194.77,219.77 195.22,220.22 197.13,220.22 197.47,220.56 204.89,220.56 v1(205.1,220.34)
Net-(J28-Pad6): length 61.3
  Top w0.25: R51.2 168.53,217.17 170.31,218.95 170.81,218.95 171.45,219.58 171.45,222.63 172.98,224.17 J28.6 ; U97.58 206.14,220.11 v1(206.5,220.47)
  Bottom w0.25: R51.2 167.17,216.37 175.68,216.37 177.57,214.48 179.04,214.48 185.99,221.43 191.55,221.43 192.76,220.22 194.59,220.22 195.04,220.67 196.94,220.67 197.39,221.12 205.85,221.12 v1(206.5,220.47)
Net-(J28-Pad9): length 31.4
  Top w0.25: v1(166.96,239.19) 167.51,238.63 167.51,237.11 163.32,232.92 163.32,228.6 162.05,227.33 R52.2
  Bottom w0.25: J28.9 180.43,240.94 167.66,240.94 166.96,240.23 v1(166.96,239.19)
Net-(J28-Pad10): length 45.3
  Top w0.25: v1(205.74,232.03) 205.74,231.46 205.1,230.83 205.1,221.74 204.19,220.83 U97.61
  Bottom w0.25: v1(205.74,232.03) 205.23,232.03 204.6,232.66 203.71,232.66 203.2,232.16 187.07,232.16 179.37,239.86 J28.10
Net-(J28-Pad11): length 52.2
  Top w0.25: v1(204.22,231.94) 202.56,230.29 202.56,221.62 203.54,220.63 U97.62
  Bottom w0.25: J28.11 177.08,239.86 178.31,238.63 179.81,238.63 181.97,236.47 182.12,236.47 186.89,231.71 203.42,231.71 203.65,231.94 v1(204.22,231.94)
Net-(J28-Pad12): length 14.4
  Top w0.25: R53.2 163.83,232.66 168.02,236.86 168.02,239.62 J28.12
Net-(J30-Pad2): length 10.3
  Top w0.25: U6.1 266.06,68.45 269.78,64.74 269.78,62.14 J30.2
Net-(J31-Pad2): length 126.3
  Top w0.25: 268.6,76.84 267.84,76.07 267.84,70.74 267.33,70.23 267.33,68.07 270.38,65.02 270.38,57.91 267.21,54.74 267.21,40.12 266.61,39.51 266.07,39.51 v1(264.66,38.11) ; v1(211.77,15.42) 211.77,15.99 211.77,15.99 211.77,34.86 212.27,35.36 212.27,37.83 v1(212,38.1)
  Bottom w0.25: v1(264.66,38.11) 264.51,37.96 240,37.96 239.39,37.35 239.39,36.32 238.63,35.56 226.69,35.56 225.43,36.83 222.67,36.83 221.4,38.1 v1(212,38.1) ; v1(211.77,15.42) 211.58,15.24 208.91,15.24 J31.2
Net-(Q1-Pad2): length 25.7
  Top w0.25: v1(81.28,84.46) 81.54,84.2 81.54,75.31 R14.1
  Bottom w0.25: v1(81.28,84.46) Q1.2
